# Altium PCB led2.PcbDoc
Units mil, origin at the board's own origin, x right, y up, seen from the top; angles counter-clockwise.
Board outline 3937.01 x 2362.2 mil, 2 copper layers (Top Layer, Bottom Layer); 66 components, 56 nets, 255 pads, 98 vias.
Unrouted connection lines stored in the file: 153.
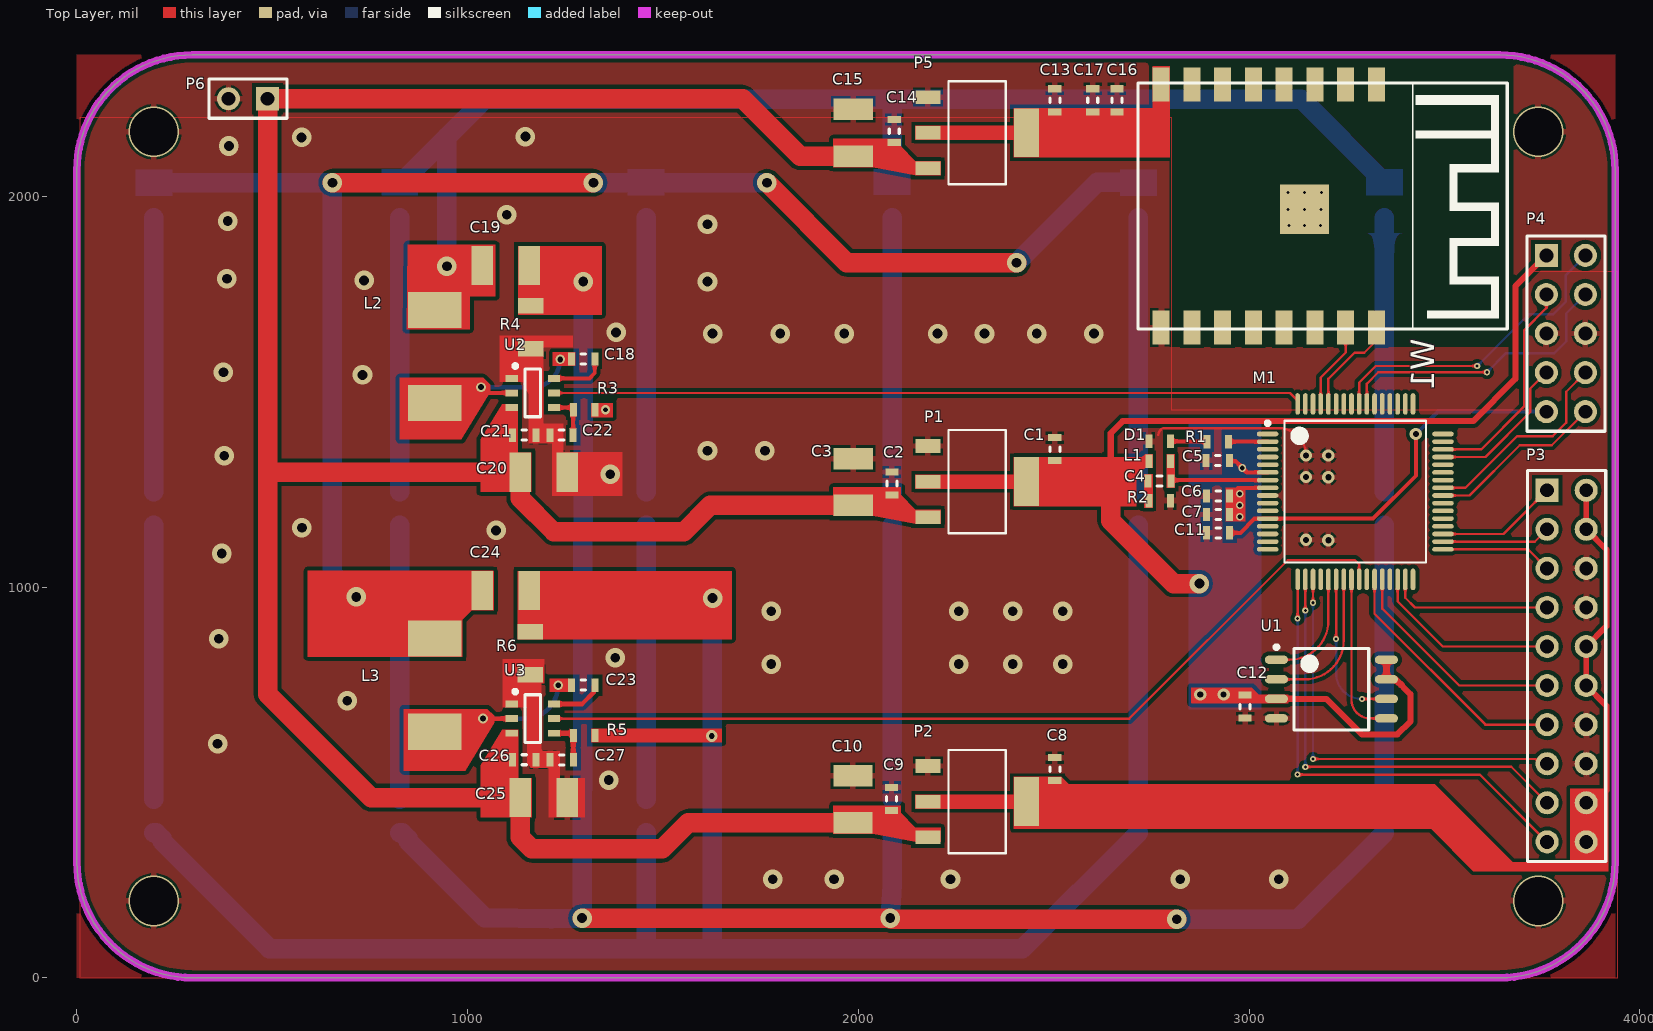
[diagram p0: Top Layer view]
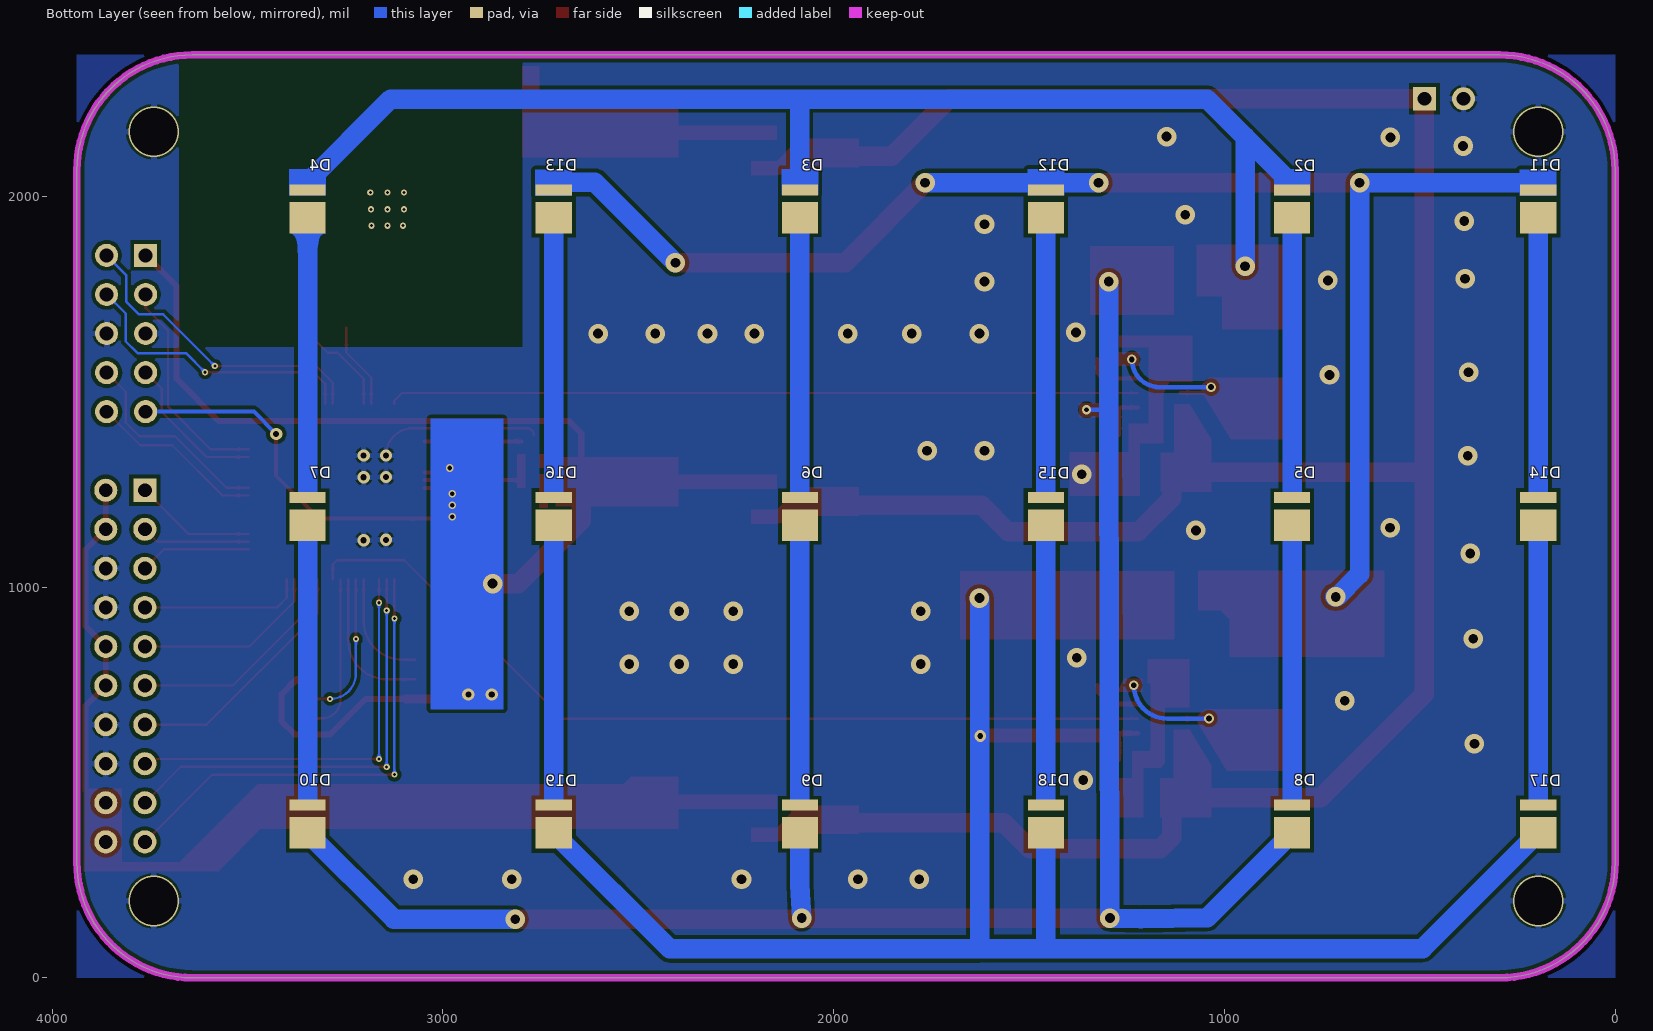
[diagram p1: Bottom Layer view, seen from below]
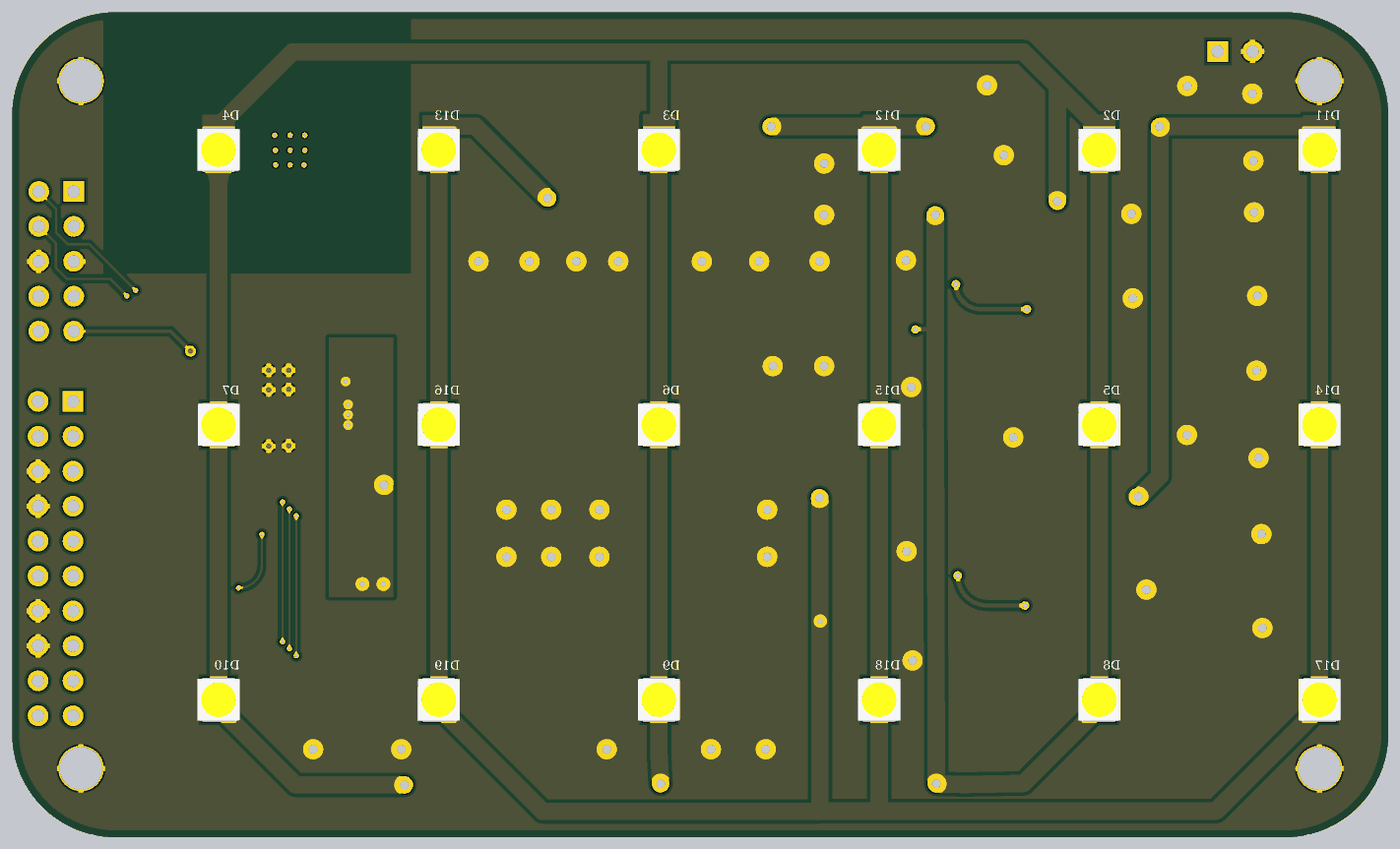
[diagram p2: 3D render of the assembled board from below, using the file's embedded part models]

## Layer stack, top to bottom
Top Solder: solder mask 0.4, Solder Resist, Dk 3.5
Top Layer: signal copper 1.4
Dielectric 1: dielectric 12.6, FR-4, Dk 4.8
Bottom Layer: signal copper 1.4
Bottom Solder: solder mask 0.4, Solder Resist, Dk 3.5

## Board outline
0,295.28 0,2066.93 cw(c295.28,2066.93) 295.28,2362.2 3641.73,2362.2 cw(c3641.73,2066.93) 3937.01,2066.93 3937.01,295.28 cw(c3641.73,295.28) 3641.73,0 295.28,0 cw(c295.28,295.28)

## Design rules (kind name [scope] priority, off if disabled: settings)
Clearance PB [InNamedPolygon('Bottom Layer-GND')] p1: gap=10 ignorepadtopadclearanceinfootprint=FALSE except(0: Arc-Hole Track-Hole SMDPad-Hole THPad-Hole Via-Hole Fill-Hole Poly-Hole Region-Hole Text-Hole)
Clearance PGDN [InNamedPolygon('Top Layer-GND')] p2: gap=10 ignorepadtopadclearanceinfootprint=FALSE except(0: Arc-Hole Track-Hole SMDPad-Hole THPad-Hole Via-Hole Fill-Hole Poly-Hole Region-Hole Text-Hole)
Clearance [All] p3: gap=5 ignorepadtopadclearanceinfootprint=FALSE except(0: Arc-THPad Arc-Hole Track-THPad Track-Hole SMDPad-THPad SMDPad-Hole THPad-THPad THPad-Hole Via-Hole Fill-Hole Poly-Hole Region-Hole Text-Hole)
HoleSize [All] p1: absolutevalues=TRUE maxlimit=200 minlimit=1 maxpercent=80.000 minpercent=20.000
MinimumSolderMaskSliver [All] p1: minsoldermaskwidth=1
PlaneConnect [All] p1: planeconnectstyle=Relief reliefexpansion=20 reliefentries=4 reliefconductorwidth=15 reliefairgap=10
PolygonConnect [All] p1: connectstyle=Relief reliefconductorwidth=15 reliefentries=4 polygonreliefangle="90 Angle" airgapwidth=6
RoutingVias [All] p1: holewidth=28 width=50 viastyle="Through Hole" minholewidth=28 minwidth=50 maxholewidth=28 maxwidth=50
SilkToSilkClearance [All] p1: silktosilkclearance=5
SilkToSolderMaskClearance [IsPad] p1: minsilkscreentomaskgap=0 clearancetoexposedcopper=TRUE
SolderMaskExpansion [All] p1: expansion=4
Width [All] p1: maxlimit=50 minlimit=6 preferedwidth=10
25 further rules are at their usual default settings.

## Classes and differential pairs
component class ledDrive: C18 C19 C20 C21 C22 C23 C24 C25 C26 C27 D2 D3 D4 D5 D6 D7 D8 D9 D10 D11 D12 D13 D14 D15 D16 D17 D18 D19 L2 L3 R3 R4 R5 R6 U2 U3
component class controler: C1 C2 C3 C4 C5 C6 C7 C8 C9 C10 C11 C12 C13 C14 C15 C16 C17 D1 L1 M1 P1 P2 P3 P4 P5 P6 R1 R2 U1 W1

## Components (designator, comment, footprint, x,y, rotation, side; value= is the part's Value field where it differs from the comment)
C1 "22uF" CAP0603 2503,1353 r270 top
C2 "100nF/16V" CAP0603 2086,1265 r270 top
C3 "22uF/16V" cap1210 1987,1269 r270 top
C4 "100nF" CAP0603 2771,1271.67 r0 top
C5 "4.7uF" CAP0603 2920.03,1324 r0 top
C6 "100nF" CAP0603 2921.03,1233 r0 top
C7 "1uF" CAP0603 2921.03,1186 r0 top
C8 "22uF" CAP0603 2503,534 r270 top
C9 "100nF/16V" CAP0603 2085,458 r270 top
C10 "22uF/16V" cap1210 1986,457 r270 top
C11 "100nF" CAP0603 2921.03,1139 r0 top
C12 "100nF" CAP0603 2990,694 r90 top
C13 "22uF" CAP0603 2503,2246 r270 top
C14 "100nF/16V" CAP0603 2092,2167 r270 top
C15 "22uF/16V" cap1210 1987,2163 r270 top
C16 "CAP0603" CAP0603 2662,2246 r90 top
C17 "CAP0603" CAP0603 2600,2246 r90 top
C18 "100nF/16V" CAP0603 1295.97,1584 r0 top
C19 "22uF/16V" cap1210 1097.44,1822.83 r180 top
C20 "22uF/16V" cap1210 1195,1294 r180 top
C21 "100nF/16V" CAP0603 1145,1389 r180 top
C22 "82nF" CAP0603 1240.53,1389 r180 top
C23 "100nF/16V" CAP0603 1295.97,749.05 r0 top
C24 "22uF/16V" cap1210 1097.44,991.17 r180 top
C25 "22uF/16V" cap1210 1195,461 r180 top
C26 "100nF/16V" CAP0603 1145,558.1 r180 top
C27 "82nF" CAP0603 1241,558 r180 top
D1 "led0603" led0603 2770.97,1373 r0 top
D2 "LED3030" LED3030 826.77,1968.5 r90 bottom
D3 "LED3030" LED3030 2086.61,1968.5 r90 bottom
D4 "LED3030" LED3030 3346.46,1968.5 r90 bottom
D5 "LED3030" LED3030 826.77,1181.1 r90 bottom
D6 "LED3030" LED3030 2086.61,1181.1 r90 bottom
D7 "LED3030" LED3030 3346.46,1181.1 r90 bottom
D8 "LED3030" LED3030 826.77,393.7 r90 bottom
D9 "LED3030" LED3030 2086.61,393.7 r90 bottom
D10 "LED3030" LED3030 3346.46,393.7 r90 bottom
D11 "LED3030" LED3030 196.85,1968.5 r90 bottom
D12 "LED3030" LED3030 1456.69,1968.5 r90 bottom
D13 "LED3030" LED3030 2716.54,1968.5 r90 bottom
D14 "LED3030" LED3030 196.85,1181.1 r90 bottom
D15 "LED3030" LED3030 1456.69,1181.1 r90 bottom
D16 "LED3030" LED3030 2716.53,1181.1 r90 bottom
D17 "LED3030" LED3030 196.85,393.7 r90 bottom
D18 "LED3030" LED3030 1456.69,393.7 r90 bottom
D19 "LED3030" LED3030 2716.54,393.7 r90 bottom
L1 "100ohm" bead0603 2770.97,1322.33 r0 top
L2 "15uH" Inductor7x7 916,1590 r90 top
L3 "15uH" Inductor7x7 916,749 r90 top
M1 "controller" STM32G071RB 3272.08,1244.31 r0 top locked
P1 "SPX1117" 1117 2304,1270 r0 top
P2 "SPX1117" 1117 2304,451 r0 top
P3 "Header 10X2" HDR2X10 3763,1248 r270 top
P4 "SWD" HDR2X5 3761,1849 r270 top
P5 "SPX1117" 1117 2304,2163 r0 top locked
P6 "POWER" HDR1X2 488,2250 r180 top
R1 "1K" res0603 2920,1372 r0 top
R2 "0" res0603 2770.97,1221 r180 top
R3 "910" res0603 1298,1454 r0 top
R4 "0.22" res1206 1161.42,1665.35 r90 top
R5 "910" res0603 1298,620.11 r0 top
R6 "0.22" res1206 1160,831 r90 top
U1 "W25Q128JV" W25Q128 3211,739 r0 top
U2 "tps54200" TPS54200 1167,1497 r0 top
U3 "tps54200" TPS54200 1167,663.42 r0 top
W1 "ESP8266" ESP-12S 3050.61,1975.66 r270 top locked

## Footprints (in the part's own frame and the unit in brackets; to place one, negate y for a bottom-side part, rotate by r counter-clockwise, add the part's x,y. Pads: shape width x height; smd on the part's side, far side on the other; paste and mask are expansions set on the pad)
1117 [mil]
  rect 64x35 smd: 1(-126,91) 2(-126,0) 3(-126,-91)
  rect 64x125 smd: 4(126,0)
  silkscreen extent -73,-132 73,132, body extent -138,-128 138,128, height 71
bead0603 [mil]
  rect 18x34 smd: 1(-27.5,0) 2(27.5,0)
  body extent -31,-16 31,16, height 31
CAP0603 [mil]
  rect 18x34 smd: 1(-29.53,0) 2(29.53,0)
  silkscreen extent -6,-13 6,13, body extent -33,-18 33,18, height 35
cap1210 [mil]
  rect 55x100 smd: 1(-60,0) 2(60,0)
  body extent -63,-49 63,49, height 37
ESP-12S [mm]
  rect 2.2x1.1 smd: 1(-7.9,7) 2(-7.9,5) 3(-7.9,3) 4(-7.9,1) 5(-7.9,-1) 6(-7.9,-3) 7(-7.9,-5) 8(-7.9,-7) 9(7.9,-7) 10(7.9,-5) 11(7.9,-3) 12(7.9,-1) 13(7.9,1) 14(7.9,3) 15(7.9,5) 16(7.9,7)
  rect 3.2x3.2 smd: 17(0.22,2.321)
  silkscreen extent -8,-8.5 8,15.5, body extent -7.96,-8.43 8.04,13.57, height 3.5
HDR1X2 [mm] "Connector; Header; 2 Position"
  rect 1.5x1.5 hole 0.9: 1(0,0)
  round 1.5 hole 0.9: 2(2.54,0)
  silkscreen extent -1.27,-1.27 3.81,1.27
HDR2X5 [mm] "Connector; Header; 5x2 Position"
  rect 1.5x1.5 hole 0.9: 1(0,0)
  round 1.5 hole 0.9: 2(0,2.54) 3(2.54,0) 4(2.54,2.54) 5(5.08,0) 6(5.08,2.54) 7(7.62,0) 8(7.62,2.54) 9(10.16,0) 10(10.16,2.54)
  silkscreen extent -1.27,-1.27 11.43,3.81
HDR2X10 [mm] "Connector; Header; 10x2 Position"
  rect 1.5x1.5 hole 0.9: 1(0,0)
  round 1.5 hole 0.9: 2(0,2.54) 3(2.54,0) 4(2.54,2.54) 5(5.08,0) 6(5.08,2.54) 7(7.62,0) 8(7.62,2.54) 9(10.16,0) 10(10.16,2.54) 11(12.7,0) 12(12.7,2.54) 13(15.24,0) 14(15.24,2.54) 15(17.78,0) 16(17.78,2.54) 17(20.32,0) 18(20.32,2.54) 19(22.86,0) 20(22.86,2.54)
  silkscreen extent -1.27,-1.27 24.13,3.81
Inductor7x7 [mm]
  rect 2.35x3.5 smd: 1(-3.025,0) 2(3.025,0)
  body extent -3.65,-3.3 3.65,3.3, height 3
led0603 [mil]
  rect 18x34 smd: 1(-27.5,0) 2(27.5,0)
  body extent -32,-16 32,16, height 24
LED3030 [mm]
  rect 2.05x2.35 smd: 1(-0.575,0)
  rect 0.725x2.35 smd: 2(1.225,0)
  body extent -1.52,-1.52 1.52,1.52, height 0.51
res0603 [mil]
  rect 18x34 smd: 1(-27.5,0) 2(27.5,0)
  body extent -31,-17 31,17, height 18
res1206 [mil]
  rect 40x65 smd: 1(-55.12,0) 2(55.12,0)
  body extent -59,-31 59,31, height 22
STM32G071RB [mm]
  oval 1.4x0.3 smd: 1(-5.7,3.75) 2(-5.7,3.25) 3(-5.7,2.75) 4(-5.7,2.25) 5(-5.7,1.75) 6(-5.7,1.25) 7(-5.7,0.75) 8(-5.7,0.25) 9(-5.7,-0.25) 10(-5.7,-0.75) 11(-5.7,-1.25) 12(-5.7,-1.75) 13(-5.7,-2.25) 14(-5.7,-2.75) 15(-5.7,-3.25) 16(-5.7,-3.75) 33(5.7,-3.75) 34(5.7,-3.25) 35(5.7,-2.75) 36(5.7,-2.25) 37(5.7,-1.75) 38(5.7,-1.25) 39(5.7,-0.75) 40(5.7,-0.25) 41(5.7,0.25) 42(5.7,0.75) 43(5.7,1.25) 44(5.7,1.75) 45(5.7,2.25) 46(5.7,2.75) 47(5.7,3.25) 48(5.7,3.75)
  oval 0.3x1.4 smd: 17(-3.75,-5.7) 18(-3.25,-5.7) 19(-2.75,-5.7) 20(-2.25,-5.7) 21(-1.75,-5.7) 22(-1.25,-5.7) 23(-0.75,-5.7) 24(-0.25,-5.7) 25(0.25,-5.7) 26(0.75,-5.7) 27(1.25,-5.7) 28(1.75,-5.7) 29(2.25,-5.7) 30(2.75,-5.7) 31(3.25,-5.7) 32(3.75,-5.7) 49(3.75,5.7) 50(3.25,5.7) 51(2.75,5.7) 52(2.25,5.7) 53(1.75,5.7) 54(1.25,5.7) 55(0.75,5.7) 56(0.25,5.7) 57(-0.25,5.7) 58(-0.75,5.7) 59(-1.25,5.7) 60(-1.75,5.7) 61(-2.25,5.7) 62(-2.75,5.7) 63(-3.25,5.7) 64(-3.75,5.7)
  silkscreen extent -5.82,-4.6 4.6,4.6, body extent -6,-6 6,6, height 1.6
TPS54200 [mm] "SOT23, 6-Leads, Body 2.90x2.80mm, Pitch 0.95mm, IPC Medium Density"
  rect 0.8x0.45 smd: 1(-1.375,0.95) 2(-1.375,0) 3(-1.375,-0.95) 4(1.375,-0.95) 5(1.375,0) 6(1.375,0.95)
  silkscreen extent -1.27,-1.55 0.5,1.88, body extent -1.4,-1.45 1.4,1.45, height 0.97
W25Q128 [mm] "SOIC, 8-Leads, Body 5.23x5.23mm, Pitch 1.27mm, IPC Medium Density"
  oval 1.5x0.55 smd: 1(-3.575,1.905) 2(-3.575,0.635) 3(-3.575,-0.635) 4(-3.575,-1.905) 5(3.575,-1.905) 6(3.575,-0.635) 7(3.575,0.635) 8(3.575,1.905)
  silkscreen extent -3.7,-2.65 2.43,2.85, body extent -2.65,-2.65 2.65,2.65, height 2.16

## Part data
C1 C2 C4 C5 C6 C7 C8 C9 C11 C12 C13 C14 C18 C21 C22 C23 C26 C27: library part CAP0603, "CAP0603"
C3 C10 C15 C19 C20 C24 C25: library part CAP1210, "CAP1210"
D1: "这是一个二极管"
D2 D3 D4 D5 D6 D7 D8 D9 D10 D11 D12 D13 D14 D15 D16 D17 D18 D19: "LEd3030"
L1: library part bead0603, "a bead"
L2 L3: library part ind7x7, "a ind"
M1: library part STM32G071RB, "STM32G071RB", Manufacturer=STMicroelectronics, Manufacturer Part Number=STM32G071RBT6, Supplier Part Number 1=497-18341-ND, ComponentLink1Description=https://media.digikey.com/pdf/Data%20Sheets/ST%20Microelectronics%20PDFS/STM32G071_Rev1_DS.pdf?src-supplier=Digi-Key, ComponentLink1URL=https://media.digikey.com/pdf/Data%20Sheets/ST%20Microelectronics%20PDFS/STM32G071_Rev1_DS.pdf?src-supplier=Digi-Key, ComponentLink2Description=http://datasheet.octopart.com/STM32G071RBT6-STMicroelectronics-datasheet-120241066.pdf?src-supplier=Future+Electronics, ComponentLink2URL=http://datasheet.octopart.com/STM32G071RBT6-STMicroelectronics-datasheet-120241066.pdf?src-supplier=Future+Electronics, ComponentLink3Description=http://datasheet.octopart.com/STM32G071RBT6-STMicroelectronics-datasheet-127822703.pdf?src-supplier=Future+Electronics, ComponentLink3URL=http://datasheet.octopart.com/STM32G071RBT6-STMicroelectronics-datasheet-127822703.pdf?src-supplier=Future+Electronics, ComponentLink4Description=http://datasheet.octopart.com/STM32G071RBT6-STMicroelectronics-datasheet-130125765.pdf?src-supplier=TME, ComponentLink4URL=http://datasheet.octopart.com/STM32G071RBT6-STMicroelectronics-datasheet-130125765.pdf?src-supplier=TME, Pricing 1="1=3.13000, 10=2.80700, 160=2.29981, 640=1.95780, 1120=1.65116 (USD)", Stock 1=974, Supplier 1=Digi-Key
P1 P2 P5: "LDO --> 3.3"
P3: "Header, 10-Pin, Dual row", LatestRevisionDate=17-Jul-2002, LatestRevisionNote="Re-released for DXP Platform.", Publisher="Altium Limited"
P4: library part "Header 5X2", "Header, 5-Pin, Dual row", LatestRevisionDate=17-Jul-2002, LatestRevisionNote="Re-released for DXP Platform.", Publisher="Altium Limited"
P6: library part "Header 2", "Header, 2-Pin", LatestRevisionDate=17-Jul-2002, LatestRevisionNote="Re-released for DXP Platform.", Publisher="Altium Limited"
R1 R2 R3 R5: library part RES0603, "RES0603"
R4 R6: library part RES1206, "RES1206"

## Via types
v1: diameter 50, hole 25, Top Layer to Bottom Layer, 56 vias
v2: diameter 15.75, hole 7.87, Top Layer to Bottom Layer, 19 vias
v3: diameter 31.5, hole 15.75, Top Layer to Bottom Layer, 9 vias
v4: diameter 19.68, hole 11.81, Top Layer to Bottom Layer, 4 vias
v5: diameter 25, hole 15, Top Layer to Bottom Layer, 4 vias
v6: diameter 129.92, hole 122.05, Top Layer to Bottom Layer, 4 vias
v7: diameter 30, hole 15, Top Layer to Bottom Layer, 1 vias
v8: diameter 24, hole 12, Top Layer to Bottom Layer, 1 vias

## Nets (pads, with @x,y where several pads share a name; then routed paths per layer and width w, separated by ;. In a path a pad name is that pad's centre, name@x,y a point inside that pad or via, vN(x,y) a via of type N, cw(c..) or ccw(c..) an arc to the next point about the centre after c; other vN are vias at no path point)
+12: C2.2 C3.2 C9.2 C10.2 C14.2 C15.2 C20.2 C21.2 C25.2 C26.2 P1.3 P2.3 P5.3 P6.1 U2.3 U3.3 | length 6460.8
  Top Layer w50: 492,1300 498,1294 C20.2 1135,1227.2 1220.47,1141.73 1553.73,1141.73 1621,1209 C3.2 ; C10.2 1565,397 1498,330 1164.29,330 1135,359.29 C25.2 753,461 488,726 P6.1 1704,2250 1851,2103 C15.2
AD1: M1.17 P3.19 | length 1209.7
  Top Layer w6: v2(3124.44,520) 3591,520 P3.19 ; v2(3124.44,920) M1.17
  Bottom Layer w6: v2(3124.44,520) v2(3124.44,920)
AD2: M1.18 P3.17 | length 1136.9
  Top Layer w6: v2(3144.13,540) 3671,540 P3.17 ; v2(3144.13,940) M1.18
  Bottom Layer w6: v2(3144.13,540) v2(3144.13,940)
AD3: M1.19 P3.15 | length 1064.1
  Top Layer w6: v2(3163.81,560) 3732.96,560 3734.81,558.15 3752.85,558.15 P3.15 ; v2(3163.81,960) M1.19
  Bottom Layer w6: v2(3163.81,560) v2(3163.81,960)
GND: C1.1 C2.1 C3.1 C5.1 C6.1 C7.1 C8.1 C9.1 C10.1 C11.1 C12.1 C13.1 C14.1 C15.1 C16.2 C17.2 C20.1 C21.1 C22.2 C25.1 C26.1 C27.2 D1.1 M1.9 P1.1 P2.1 P3.6 P3.8 P3.14 P3.16 P4.5 P4.6 P5.1 P6.2 R2.1 R4.1 R6.1 U1.4 U2.1 U3.1 W1.9 | length 427.7
  Top Layer w6: 2768,1390 cw(c2785,1390) 2785,1407 3076,1407 cw(c3076,1337) v3(3146,1337)
  other v1: 1781,252 1938,252 2236,252 2824,252 3076,252 1361,506 360,599 692,709 1777,803 2257,803 2395,803 2523,803 1378,819 363,868 1777,938 2257,938 2395,938 2523,938 371,1086 1073,1145 576,1152 1365,1289 377,1336 1614,1349 1761,1349 731,1543 375,1550 1627,1649 1800,1649 1964,1649 2203,1649 2323,1649 2457,1649 2603,1649 1380,1652 1614,1782 735,1785 384,1789 1614,1929 386,1937 1100,1953 389,2129 575,2151 1148,2153
  other v3: 3203,1120 3146,1121 3203,1281 3146,1282 3203,1337
  other v6: 196.85,196.85 3740.16,196.85 196.85,2165.35 3740.16,2165.35
I2C_SCL: M1.30 P3.9 | length 486.8
  Top Layer w6: M1.30 3380.35,963.65 3496,848 P3.9
I2C_SDA: M1.31 P3.7 | length 420.2
  Top Layer w6: M1.31 3400.03,972.97 3425,948 P3.7
IO1: M1.35 P3.1 | length 312.9
  Top Layer w6: M1.35 3651.04,1136.04 P3.1
IO2: M1.34 P3.3 | length 279.6
  Top Layer w6: M1.34 3731.35,1116.35 P3.3
IO3: M1.33 P3.5 | length 286.7
  Top Layer w6: M1.33 3714.33,1096.67 P3.5
NetC4_1: C4.1 R2.2
NetC4_2: C4.2 L1.2 M1.7 | length 248.2
  Top Layer w10: C4.2 2802.7,1273.83 2877.19,1273.83 2877.36,1274 3047.5,1274 M1.7
NetC13_2: C13.2 C16.1 C17.1 P5.2 P5.4 W1.8
NetC18_1: C18.1 L2.1 U2.2 | length 303.1
  Top Layer w10: 1053,1497 U2.2
  Bottom Layer w12: v5(1034.45,1511.81) 1165.81,1511.81 ccw(c1165.81,1583) v5(1237,1583)
NetC18_2: C18.2 U2.6 | length 146
  Top Layer w10: U2.6 1311.96,1534.4 1325.5,1547.94 C18.2
NetC19_1: C19.1 D8.1 D9.1 D10.1 R3.2 R4.2 | length 4610.5
  Top Layer w50: v1(1293,153) v1(2082,153) 2085,150 v1(2815,150)
  Bottom Layer w12: 1296,1455 1297,1454 v8(1353,1454)
  Bottom Layer w50: D8.1 832.68,371.06 848.03,355.71 848.03,349.8 1043.83,154 1214,151 v1(1293,153) 1296,1455 v1(1296,1782) ; v1(2082,153) 2086.61,238.61 D9.1 ; v1(2815,150) 3125.39,150 D10.1
NetC19_2: C19.2 D2.2 D3.2 D4.2 L2.2 | length 3242.9
  Bottom Layer w50: 828,2033 947,2152 ; v1(947,1821) 947,2152 ; 2087,2038 2087,2249 ; 3350,2033 3134,2249 2087,2249 ; 947,2152 1044,2249 2087,2249
NetC22_1: C22.1 R3.1 U2.4 | length 117.8
  Top Layer w10: U2.4 1266.5,1459.6 1270.5,1455.6 1270.06,1455.15 C22.1
NetC23_1: C23.1 L3.1 U3.2 | length 314.9
  Top Layer w12: v5(1039.42,663.42) U3.2
  Bottom Layer w12: v5(1039.42,663.42) 1146.42,663.42 ccw(c1146.42,749) v5(1232,749)
NetC23_2: C23.2 U3.6 | length 133.5
  Top Layer w12: U3.6 1292.82,700.82 1322.5,730.5 1322.5,746.05 C23.2
NetC24_1: C24.1 D17.1 D18.1 D19.1 R5.2 R6.2 | length 3963.3
  Bottom Layer w50: D17.1 202.76,371.06 218.11,355.71 218.11,349.8 492.91,75 1626,75 ; 1456.69,75 D18.1 ; v1(1627,972) 1626,971 1626,74 2419.47,74 D19.1
  other v7: 1625,619
NetC24_2: C24.2 D11.2 D12.2 D13.2 L3.2 | length 3788.7
  Top Layer w50: v1(654,2035) v1(1322,2035) ; v1(1766,2035) 1971,1830 v1(2405,1830)
  Bottom Layer w50: 193,2035 v1(654,2035) 654,1033 712,975 v1@718,975 ; v1(1322,2035) v1(1766,2035) ; v1(2405,1830) 2611,2036 2720,2036 2721,2037
  other v1: 715,975
NetC27_1: C27.1 R5.1 U3.4 | length 115.6
  Top Layer w12: U3.4 1267.5,626.02 1270.5,623.02 R5.1 C27.1
NetD1_2: D1.2 R1.1 | length 94.4
  Top Layer w10: D1.2 2891.5,1373 R1.1
NetD2_1: D2.1 D5.2 | length 701.9
  Bottom Layer w50: 826.77,1244 D2.1
NetD3_1: D3.1 D6.2 | length 701.9
  Bottom Layer w50: 2086.61,1244 D3.1
NetD4_1: D4.1 D7.2 | length 701.9
  Bottom Layer w50: 3346.46,1244 D4.1
NetD5_1: D5.1 D8.2 | length 701.5
  Bottom Layer w50: 826.77,457 D5.1
NetD6_1: D6.1 D9.2 | length 701.5
  Bottom Layer w50: 2086.61,457 D6.1
NetD7_1: D7.1 D10.2 | length 701.5
  Bottom Layer w50: 3346.46,457 D7.1
NetD11_1: D11.1 D14.2 | length 701.9
  Bottom Layer w50: 196.85,1244 D11.1
NetD12_1: D12.1 D15.2 | length 701.9
  Bottom Layer w50: 1456.69,1244 D12.1
NetD13_1: D13.1 D16.2 | length 701.9
  Bottom Layer w50: 2716.54,1244 D13.1
NetD14_1: D14.1 D17.2 | length 701.5
  Bottom Layer w50: 196.85,457 D14.1
NetD15_1: D15.1 D18.2 | length 701.5
  Bottom Layer w50: 1456.69,457 D15.1
NetD16_1: D16.1 D19.2 | length 701.5
  Bottom Layer w50: 2716.53,457 D16.1
NetM1_2: M1.2 R1.2 | length 100.3
  Top Layer w10: R1.2 2947.76,1372.26 M1.2
PWM1: M1.64 U2.5 | length 1920.1
  Top Layer w6: U2.5 3104.86,1497 3124.44,1477.42 M1.64
PWM2: M1.25 U3.5 | length 2271.5
  Top Layer w6: U3.5 2693.42,663.42 3099,1069 3271,1069 3281.92,1058.08 M1.25
PWM3: M1.28 P3.11 | length 578.5
  Top Layer w6: M1.28 3340.98,945.02 3538,748 P3.11
PWM4: M1.27 P3.13 | length 647.4
  Top Layer w6: M1.27 3321.29,931.71 3605,648 P3.13
RST: C11.2 M1.12 P4.9 | length 1015.9
  Top Layer w6: P4.9@3750.85,1438.85 P4.9
  Top Layer w10: C11.2 2978,1139 3014.41,1175.41 M1.12 3317.41,1175.41 3427,1285 v3(3427,1392)
  Bottom Layer w10: v3(3427,1392) 3484,1449 P4.9
SPI_CS: M1.21 U1.1 | length 295.9
  Top Layer w6: U1.1 3103.18,814 ccw(c3103.18,914) 3203.18,914 M1.21
SPI_MISO: M1.23 U1.2 | length 385.3
  Top Layer w6: U1.2 3142.55,764 ccw(c3142.55,864) 3242.55,864 M1.23
SPI_MOSI: M1.24 U1.5 | length 424.9
  Top Layer w6: M1.24 3262.24,711.74 ccw(c3309.98,711.74) 3309.98,664 U1.5
SPI_SCK: M1.22 U1.6 | length 406.8
  Top Layer w6: v2(3222.87,867) M1.22 ; v2(3289,714) U1.6
  Bottom Layer w6: v2(3222.87,867) 3222.87,779.13 ccw(c3288,779.13) 3288,714 v2(3289,714)
TCK: M1.46 P4.3 | length 563.4
  Top Layer w6: M1.46 3594.57,1352.57 3704,1462 3704,1657 3761,1714 P4.3
TMS: M1.45 P4.7 | length 389.2
  Top Layer w6: M1.45 3604.89,1332.89 3720,1448 3720,1508 P4.7
UART2_RX: M1.56 P4.2 | length 808.6
  Top Layer w6: M1.56 3281.92,1523.55 3324.37,1566 v2(3584,1566)
  Bottom Layer w6: v2(3584,1566) 3716,1698 3778,1698 3811,1731 3811,1799 P4.2
UART2_TX: M1.55 P4.4 | length 747.5
  Top Layer w6: M1.55 3301.61,1520.61 3331,1550 v2(3609,1550)
  Bottom Layer w6: v2(3609,1550) 3658,1599 3782,1599 3812,1629 3812,1700 P4.4
UART3_RX: M1.41 P4.8 | length 532.9
  Top Layer w6: M1.41 3554.15,1254.15 3686,1386 3777,1386 3812,1421 3812,1500 P4.8
UART3_TX: M1.40 P4.10 | length 453.4
  Top Layer w6: M1.40 3564.46,1234.46 3693,1363 3775,1363 P4.10
VCC33V: C8.2 P2.2 P2.4 P3.2 P3.4 P3.10 P3.12 P3.18 P3.20 | length 897.3
  Top Layer w15: P3.18 3871.43,456.43 3891.43,456.43 3914.67,479.67 3914.67,696.33 P3.12 P3.10 3914.67,899.67 3914.67,1096.33 P3.4 P3.2
VDD: C1.2 C5.2 C6.2 C7.2 C12.2 L1.1 M1.6 M1.8 P1.2 P1.4 P4.1 U1.3 U1.7 U1.8 | length 2772.4
  Top Layer w10: C5.2 2950.99,1322.57 2965.43,1322.57 v4(2983,1305) 2994.48,1293.52 M1.6 ; C6.2 2950.56,1241 2954.56,1245 2962.56,1245 2971.7,1254.15 M1.8
  Top Layer w15.75: 2646,1242 2646,1394 2677,1425 3574,1425 3682,1533 3682,1770 P4.1 ; U1.3 3198,714 3289,623 3380,623 3413,656 3413,726 3375,764 U1.7 U1.8
  Top Layer w50: 2646,1242 2646,1170 2807,1009 v1(2873,1009)
  other v3: 2875,725 2935,725
  other v4: 2976,1180 2976,1209.5 2976,1239
WIFI_RX: M1.60 W1.16 | length 263
  Top Layer w6: M1.60 3203.18,1533.18 3270,1600 3295,1600 3328,1633 3328,1662.84 W1.16
WIFI_TX: M1.61 W1.15 | length 222.4
  Top Layer w6: M1.61 3183.5,1536.5 3247.46,1600.46 W1.15
pads on no net: M1.1 M1.3 M1.4 M1.5 M1.10 M1.11 M1.13 M1.14 M1.15 M1.16 M1.20 M1.26 M1.29 M1.32 M1.36 M1.37 M1.38 M1.39 M1.42 M1.43 M1.44 M1.47 M1.48 M1.49 M1.50 M1.51 M1.52 M1.53 M1.54 M1.57 M1.58 M1.59 M1.62 M1.63 W1.1 W1.2 W1.3 W1.4 W1.5 W1.6 W1.7 W1.10 W1.11 W1.12 W1.13 W1.14 W1.17
copper on no net:
  other v2: 3102,1925 3142,1925 3183,1925 3100,1967 3142,1967 3184,1967 3100,2010 3142,2010 3186,2010

## Polygon pours and split planes (outlines as drawn)
no net on Top Layer "Top Layer-GND" (solid, pour order 6): 7,2201.2 7,0 3944.01,0 3944.01,1807.5 3707.79,1807.5 3707.79,1453.17 2802.28,1453.17 2802.28,2201.2
GND on Top Layer "Top Layer-GND" (solid, pour order 0): 0,2362.2 0,0 3937.01,0 3937.01,2362.2 3677,2362.2 3677,1614.17 2795.28,1614.17 2795.28,2362.2
GND on Bottom Layer "Bottom Layer-GND" (solid, pour order 2): 0,2362.2 0,0 3937.01,0 3937.01,2362.2 3676,2362.2 3676,1614.17 2795.28,1614.17 2795.28,2362.2

## Keep-outs
Keep-Out Layer:
  the board outline again, w19.68

## Other copper
Top Layer:
  region net VCC33V: 2398,514 2398,381 3466,381 3574,273 3620,273 3919,273 3919,484 3822,484 3822,296 3675,296 3475,496 2538,496 2520,514
  region net VDD: 3100,703 3100,725 3025,725 3007,743 2852,743 2852,704 2853,703
  region: 3100,703
  region net VDD: 2941,1254 2941,1169 2991,1169 2991,1254
  region net NetC4_2: 2810,1340
  region net NetC4_2: 2810,1340
  region net NetC4_2: 2789,1340 2789,1254 2810,1254 2810,1340
  region net NetC4_1: 2732,1289 2732,1203 2753,1203 2753,1289
  region net VDD: 2398,1333 2398,1207 2712,1207 2712,1283 2734,1305 2753,1305 2753,1340 2734,1340 2726,1332
  region net +12: 1936,441 1936,369 2037,369 2146,348 2211,348 2211,384 2146,384 2109,422 2109,441
  region net +12: 1936,1255 1936,1183 2037,1183 2146,1162 2211,1162 2211,1198 2146,1198 2109,1236 2109,1255
  region net VCC33V: 2146,469 2409,469 2409,433 2146,433
  region net VDD: 2146,1288 2409,1288 2409,1252 2146,1252
  region net NetC13_2: 2146,2181 2409,2181 2409,2145 2146,2145
  region net +12: 1936,2147 1936,2075 2037,2075 2146,2054 2211,2054 2211,2090 2146,2090 2109,2128 2109,2147
  region net NetC13_2: 2398,2226 2398,2100 2797,2100 2797,2333 2753,2333 2753,2332 2753,2226
  region net NetC24_1: 1316,637 1651,637 1651,603 1316,603
  region net NetC24_1: 1128,867 1676,867 1676,1041 1138,1041 1128,1041
  region net NetC24_2: 590.37,822 986,822 986,916 1011,941 1067,941 1067,1041 1066,1042 591.37,1042
  region net +12: 1129.18,635 1088.82,635 1033.7,544.45 1033.7,410.59 1163.63,410.59 1163.63,510.98 1129.18,510.98
  region net NetC23_1: 1258,766 1210,766 1210,732 1273,732
  region net NetC23_1: 1068.3,652.99 1068.3,670.28 1050.58,688 837,688 837,530.52 994.48,530.52 994.48,580.82 994.48,530.52
  region net GND: 1208,550 1208,411 1300,411 1300,511 1236,511 1236,550
  region net GND: 1090,815 1090,692 1153,692 1153,549.14 1159,541 1162,538 1236,538 1236,580 1193,580 1188,585 1188,754 1195.8,754 1195.8,815
  region net NetC19_1: 1316,1471 1372,1471 1372,1435 1316,1435
  region net NetC19_2: 844,1660 1005,1660 1005,1744 1071,1744 1071,1876 847,1876
  region net NetC19_1: 1130,1873 1130,1697 1343,1697 1343,1873
  region net +12: 1128.94,1468.5 1088.58,1468.5 1033.46,1377.95 1033.46,1244.09 1163.39,1244.09 1163.39,1344.49 1128.94,1344.49
  region net NetC18_1: 1275.59,1601.38 1218.5,1601.38 1218.5,1566.93 1275.59,1566.93
  region net GND: 1156.5,1495.23 1156.5,1422.24 1156.5,1368.11 1216.54,1368.11 1216.54,1233.27 1395.67,1233.27 1395.67,1345.47 1245.08,1345.47 1245.08,1418.31 1242.13,1418.31 1193.9,1418.31
  region net GND: 1141.73,1525.59 1082.68,1525.59 1082.68,1643.7 1269.68,1643.7 1269.68,1614.17 1193.9,1614.17 1193.9,1418.31
  region net NetC18_1: 1058.07,1500.42 1058.07,1517.72 1040.35,1535.43 826.77,1535.43 826.77,1377.95 984.25,1377.95 984.25,1428.25 984.25,1377.95
Bottom Layer:
  region net VDD: 3019,688
  region net VDD: 2846,1431 2846,688 3031,688 3031,1431
  region: 2831,970
  region net NetC19_2: 780,2003 780,2069 873,2069 873,2003
  region net NetC24_2: 150.5,2002 150.5,2068 243.5,2068 243.5,2002
  region net NetC19_2: 2040,2004 2040,2070 2133,2070 2133,2004
  region net NetC24_2: 1410.5,2003 1410.5,2069 1503.5,2069 1503.5,2003
  region net NetC24_2: 2670.5,2002 2670.5,2068 2763.5,2068 2763.5,2002
  region net NetC19_2: 3300,2003 3300,2069 3393,2069 3393,2003